# Allegro board C000PD020-3399PRO-DMEB-A-A01.brd
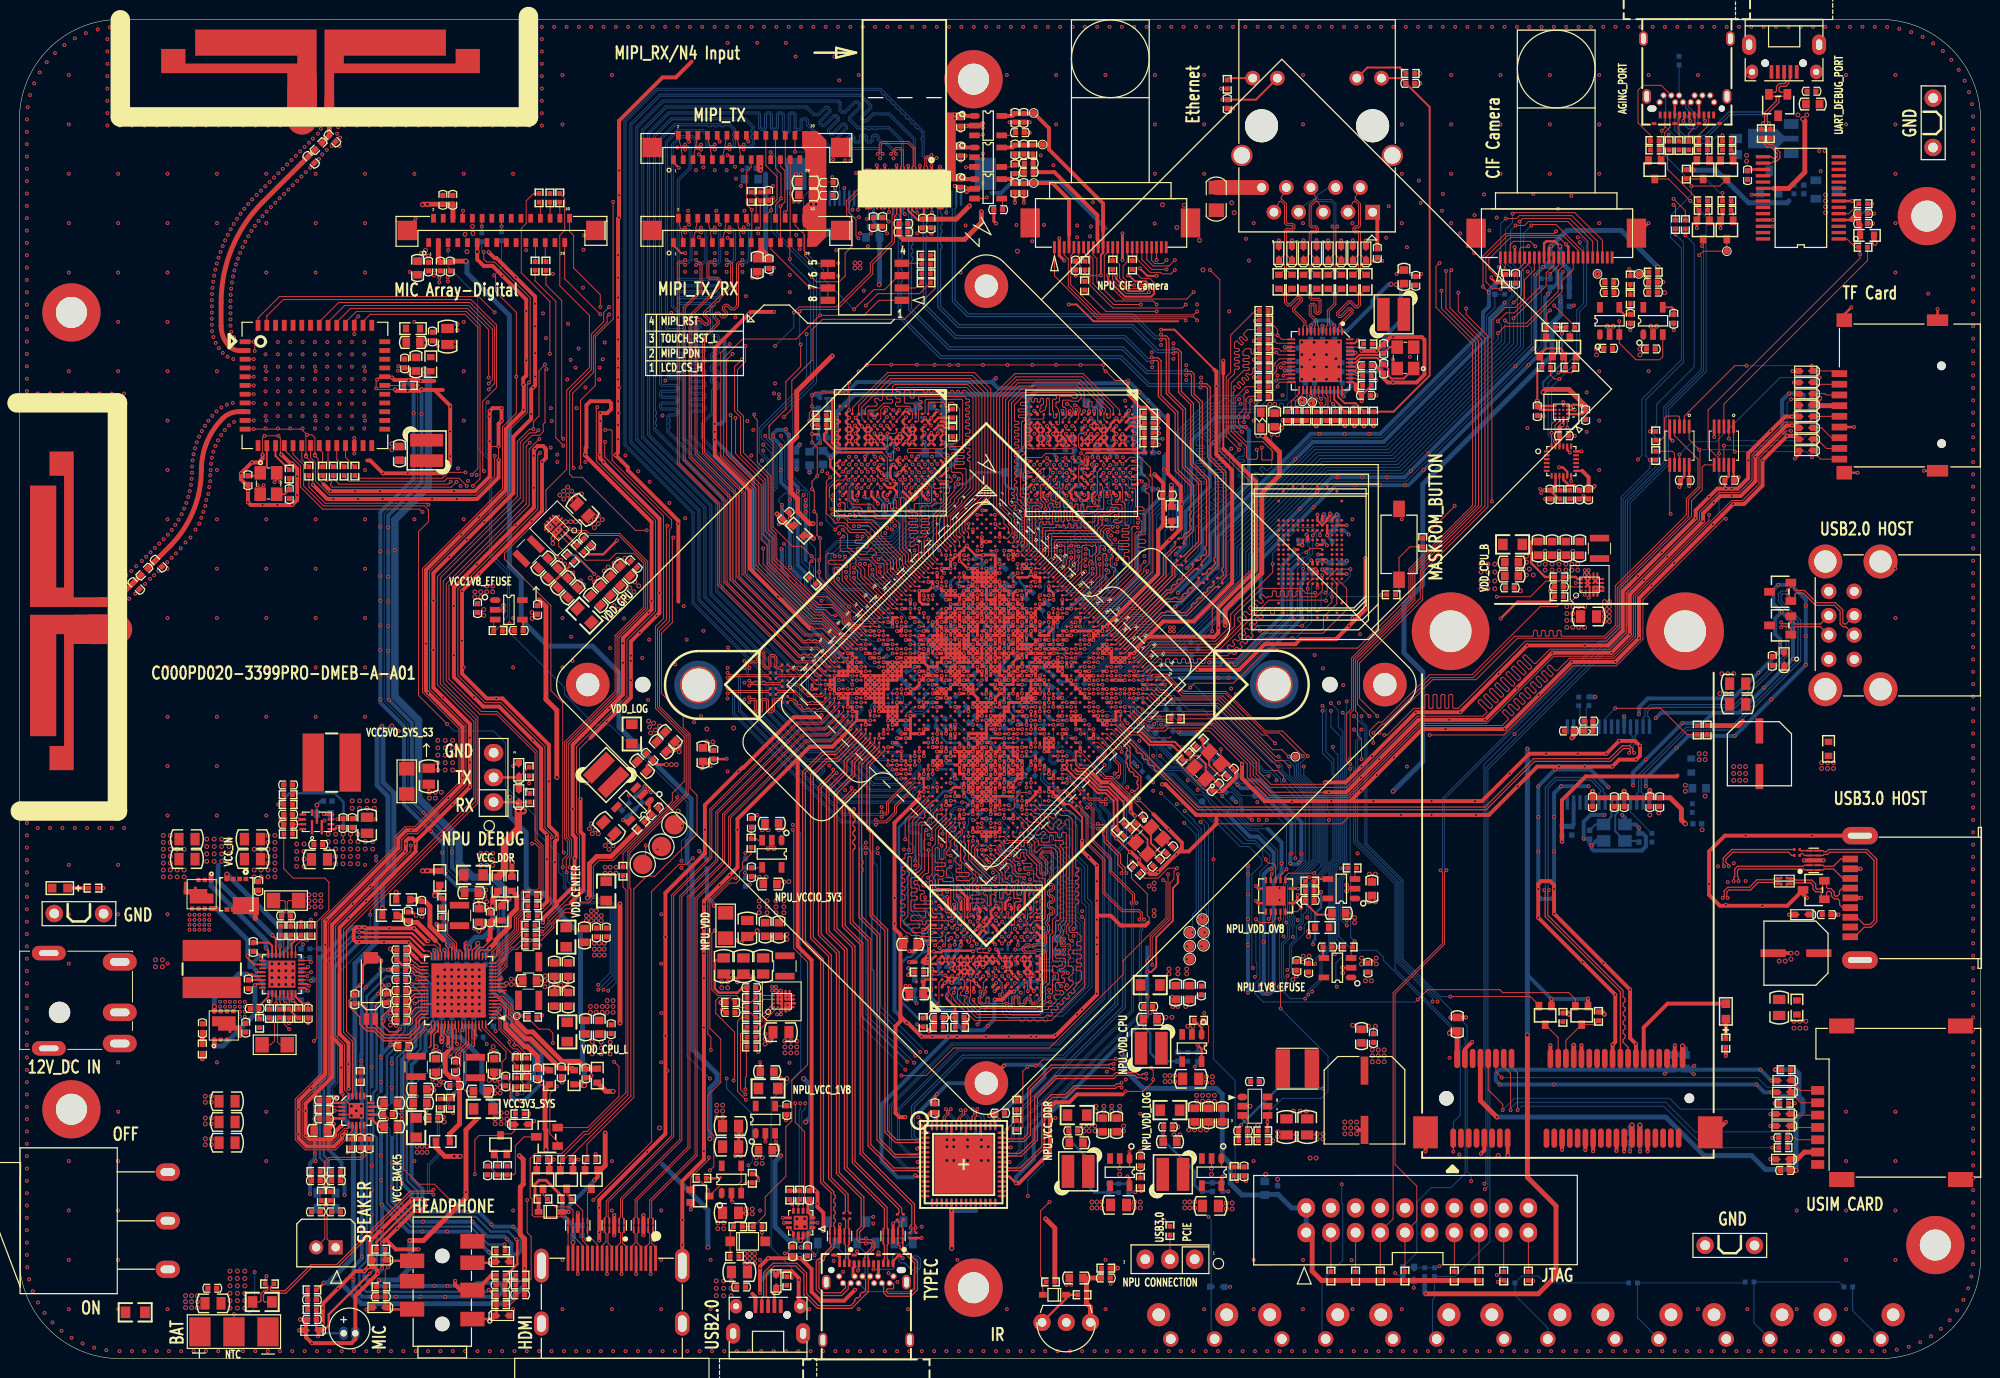
[diagram p0: board, top side]
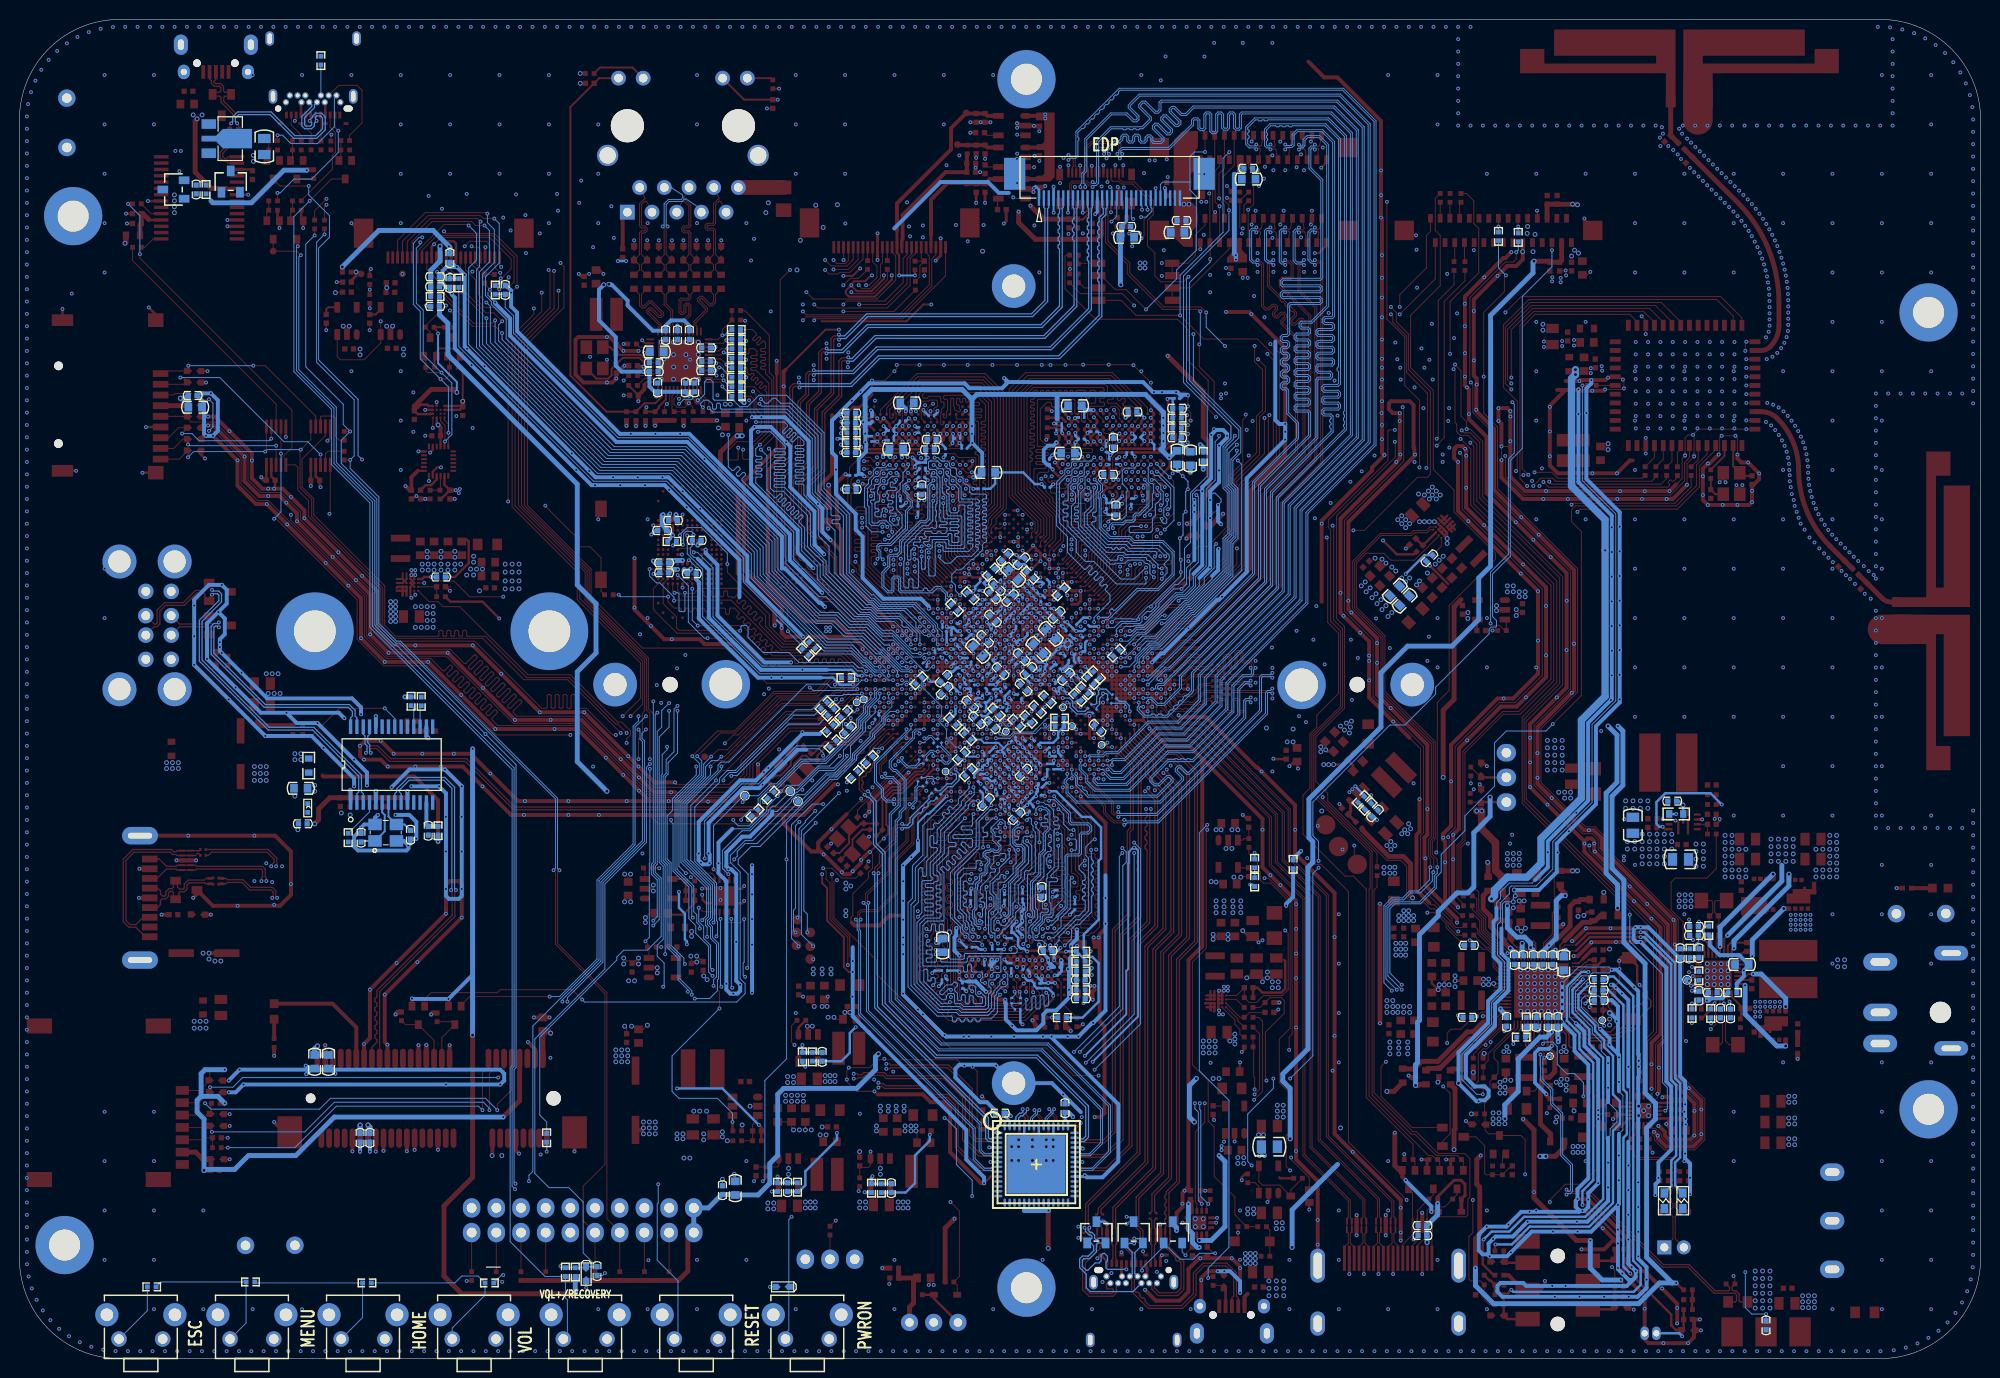
[diagram p1: board, bottom side, seen from below]

Outline 201.8 x 137.8 mm; copper layers: TOP, GND1, POWER1, POWER2, GND2, S1, GND3, BOTTOM. Coordinates in mm from the lower left corner of the outline.
Outline path: 0,127.5 arc(3.02,134.78) 10.3,137.8 191.5,137.8 arc(198.78,134.78) 201.8,127.5 201.8,10.3 arc(198.78,3.02) 191.5,0 10.3,0 arc(3.02,3.02) 0,10.3 0,127.5

## Design rules (mm)
net group DP9: nets HUB_HOST1_DM HUB_HOST1_DP
net group DP10: nets HUB_HOST2_DM HUB_HOST2_DP
net group DP11: nets HOST1_DM HOST1_DP
net group DP12: nets HUB_HOST3_DM HUB_HOST3_DP
net group DP16: nets TYPEC_AUXM TYPEC_AUXP
net group DP17: nets TYPEC0_DM TYPEC0_DP
net group DP18: nets DEBUG_DM DEBUG_DP
net group DP19: nets USB20_OTG1_DM USB20_OTG1_DP
net group DP20: nets U_DM U_DP
net group DP21: nets USB30_RX1N_PORT USB30_RX1P_PORT
net group DP22: nets OTG_DM_S1 OTG_DP_S1
net group DP23: nets PCIE_RX0N_S1 PCIE_RX0P_S1
net group DP24: nets PCIE_TX0N_S1 PCIE_TX0P_S1
net group EDPAUXN: nets EDP_AUXN EDPAUXN
net group EDPAUXP: nets EDP_AUXP EDPAUXP
net group EDPTX0N: nets EDP_TX0N EDPTX0N
net group EDPTX0P: nets EDP_TX0P EDPTX0P
net group EDPTX1N: nets EDP_TX1N EDPTX1N
net group EDPTX1P: nets EDP_TX1P EDPTX1P
net group EDPTX2N: nets EDP_TX2N EDPTX2N
net group EDPTX2P: nets EDP_TX2P EDPTX2P
net group EDPTX3N: nets EDP_TX3N EDPTX3N
net group EDPTX3P: nets EDP_TX3P EDPTX3P
net group EMMC_CLKO: nets EMMC_CLKO N80039782
net group HDMI_TX0: nets HDMI_TX0N HDMI_TX0P
net group HDMI_TX1: nets HDMI_TX1N HDMI_TX1P
net group HDMI_TX2: nets HDMI_TX2N HDMI_TX2P
net group HDMI_TXC: nets HDMI_TXCN HDMI_TXCP
net group MAC_CLK: nets MAC_CLK PHY_CLKOUT125
net group MAC_RXCLK: nets MAC_RXCLK PHY_RXCLK
net group MAC_RXD0: nets MAC_RXD0 PHY_RXD0
net group MAC_RXD1: nets MAC_RXD1 PHY_RXD1
net group MAC_RXD2: nets MAC_RXD2 PHY_RXD2
net group MAC_RXD3: nets MAC_RXD3 PHY_RXD3
net group MAC_RXDV: nets MAC_RXDV PHY_RXDV
net group MDI0+: nets MDI0+ MDI_0+
net group MDI0-: nets MDI0- MDI_0-
net group MDI1+: nets MDI1+ MDI_1+
net group MDI1-: nets MDI1- MDI_1-
net group MDI2+: nets MDI2+ MDI_2+
net group MDI2-: nets MDI2- MDI_2-
net group MDI3+: nets MDI3+ MDI_3+
net group MDI3-: nets MDI3- MDI_3-
net group MIPI_RX0_CLKN: nets MIPI_RX0_CLKN NPU_MIPI_TX_CLKN
net group MIPI_RX0_CLKP: nets MIPI_RX0_CLKP NPU_MIPI_TX_CLKP
net group MIPI_RX0_D0N: nets MIPI_RX0_D0N NPU_MIPI_TX_D0N
net group MIPI_RX0_D0P: nets MIPI_RX0_D0P NPU_MIPI_TX_D0P
net group MIPI_RX0_D1N: nets MIPI_RX0_D1N NPU_MIPI_TX_D1N
net group MIPI_RX0_D1P: nets MIPI_RX0_D1P NPU_MIPI_TX_D1P
net group MIPI_RX0_D2N: nets MIPI_RX0_D2N NPU_MIPI_TX_D2N
net group MIPI_RX0_D2P: nets MIPI_RX0_D2P NPU_MIPI_TX_D2P
net group MIPI_RX0_D3N: nets MIPI_RX0_D3N NPU_MIPI_TX_D3N
net group MIPI_RX0_D3P: nets MIPI_RX0_D3P NPU_MIPI_TX_D3P
net group NPU_OTG: nets USB20_HOST0_DM USB20_HOST0_DP
net group NPU_OTG_M: nets NPU_OTG_M OTG_DM_S2
net group NPU_OTG_P: nets NPU_OTG_P OTG_DP_S2
net group NPU_PCIE_CLKN: nets NPU_PCIE_CLKN PCIE_REF_CLKN
net group NPU_PCIE_CLKP: nets NPU_PCIE_CLKP PCIE_REF_CLKP
net group NPU_PCIE_RX0: nets PCIE_TX0N PCIE_TX0P
net group NPU_PCIE_RX0N: nets NPU_PCIE_RX0N PCIE_TX0N_S2
net group NPU_PCIE_RX0P: nets NPU_PCIE_RX0P PCIE_TX0P_S2
net group NPU_PCIE_RX1N: nets NPU_PCIE_RX1N PCIE_TX1N
net group NPU_PCIE_RX1P: nets NPU_PCIE_RX1P PCIE_TX1P
net group NPU_PCIE_TX0N: nets NPU_PCIE_TX0N PCIE_RX0N_S2
net group NPU_PCIE_TX0P: nets NPU_PCIE_TX0P PCIE_RX0P_S2
net group NPU_PCIE_TX1N: nets NPU_PCIE_TX1N PCIE_RX1N
net group NPU_PCIE_TX1P: nets NPU_PCIE_TX1P PCIE_RX1P
net group PCIE_RX0: nets PCIE_RX0N PCIE_RX0P
net group SDIO0_CLK: nets SDIO0_CLK SDIO_CLK
net group SDIO0_CMD: nets SDIO0_CMD SDIO_CMD
net group SDIO0_D0: nets SDIO0_D0 SDIO_D0
net group SDIO0_D1: nets SDIO0_D1 SDIO_D1
net group SDIO0_D2: nets SDIO0_D2 SDIO_D2
net group SDIO0_D3: nets SDIO0_D3 SDIO_D3
net group SDMMC0_CLK: nets N74993369 SDMMC0_CLK
net group TYPEC0_RX1: nets TYPEC0_RX1N TYPEC0_RX1P
net group TYPEC0_RX2: nets TYPEC0_RX2N TYPEC0_RX2P
net group TYPEC0_TX1N: nets TYPEC0_TX1N TYPECTX1N
net group TYPEC0_TX1P: nets TYPEC0_TX1P TYPECTX1P
net group TYPEC0_TX2N: nets TYPEC0_TX2N TYPECTX2N
net group TYPEC0_TX2P: nets TYPEC0_TX2P TYPECTX2P
net group USB20_OTG1_DM_J: nets USB20_OTG1_DM_J USB20_OTG1_DM_PORT
net group USB20_OTG1_DP_J: nets USB20_OTG1_DP_J USB20_OTG1_DP_PORT
net group USB30_RX1: nets USB30_RX1N USB30_RX1P
net group USB30_TX1: nets USB30_TX1N USB30_TX1P
net group USB30_TX1N_J: nets USB30_TX1N_J USB30_TX1N_PORT
net group USB30_TX1P_J: nets USB30_TX1P_J USB30_TX1P_PORT
net group AVDD0V9_DDR0PLL: nets AVDD0V9_DDR0PLL
net group M_DDR0_ADD: nets DDR0_A0 DDR0_A1 DDR0_A2 DDR0_A3 DDR0_A4 DDR0_A5 DDR0_A6 DDR0_A7 DDR0_A8 DDR0_A9 DDR0_CKE0 DDR0_CKE1 DDR0_CLK DDR0_CLKN DDR0_CS0N DDR0_CS1N DDR0_ODT0
net group M_DDR0_DATA0: nets DDR0_D0 DDR0_D1 DDR0_D2 DDR0_D3 DDR0_D4 DDR0_D5 DDR0_D6 DDR0_D7 DDR0_DM0 DDR0_DQS0M DDR0_DQS0P
net group M_DDR0_DATA1: nets DDR0_D8 DDR0_D9 DDR0_D10 DDR0_D11 DDR0_D12 DDR0_D13 DDR0_D14 DDR0_D15 DDR0_DM1 DDR0_DQS1M DDR0_DQS1P
net group M_DDR0_DATA2: nets DDR0_D16 DDR0_D17 DDR0_D18 DDR0_D19 DDR0_D20 DDR0_D21 DDR0_D22 DDR0_D23 DDR0_DM2 DDR0_DQS2M DDR0_DQS2P
net group M_DDR0_DATA3: nets DDR0_D24 DDR0_D25 DDR0_D26 DDR0_D27 DDR0_D28 DDR0_D29 DDR0_D30 DDR0_D31 DDR0_DM3 DDR0_DQS3M DDR0_DQS3P
net group M_DDR1_ADD: nets DDR1_A0 DDR1_A1 DDR1_A2 DDR1_A3 DDR1_A4 DDR1_A5 DDR1_A6 DDR1_A7 DDR1_A8 DDR1_A9 DDR1_CKE0 DDR1_CKE1 DDR1_CLK DDR1_CLKN DDR1_CS0N DDR1_CS1N DDR1_ODT0
net group M_DDR1_DATA0: nets DDR1_D0 DDR1_D1 DDR1_D2 DDR1_D3 DDR1_D4 DDR1_D5 DDR1_D6 DDR1_D7 DDR1_DM0 DDR1_DQS0M DDR1_DQS0P
net group M_DDR1_DATA1: nets DDR1_D8 DDR1_D9 DDR1_D10 DDR1_D11 DDR1_D12 DDR1_D13 DDR1_D14 DDR1_D15 DDR1_DM1 DDR1_DQS1M DDR1_DQS1P
net group M_DDR1_DATA2: nets DDR1_D16 DDR1_D17 DDR1_D18 DDR1_D19 DDR1_D20 DDR1_D21 DDR1_D22 DDR1_D23 DDR1_DM2 DDR1_DQS2M DDR1_DQS2P
net group M_DDR1_DATA3: nets DDR1_D24 DDR1_D25 DDR1_D26 DDR1_D27 DDR1_D28 DDR1_D29 DDR1_D30 DDR1_D31 DDR1_DM3 DDR1_DQS3M DDR1_DQS3P
net group M_EMMC: nets EMMC_CMD EMMC_D1 EMMC_D2 EMMC_D3 EMMC_D4 EMMC_D5 EMMC_D6 EMMC_D7 EMMC_STRB
net group M_MAC: nets MAC_MDC
net group M_MIPI_TX0: nets MIPI_TX0_CLKN MIPI_TX0_CLKP MIPI_TX0_D0N MIPI_TX0_D0P MIPI_TX0_D1N MIPI_TX0_D1P MIPI_TX0_D2N MIPI_TX0_D2P MIPI_TX0_D3N MIPI_TX0_D3P
net group M_MIPI_TX/RX: nets MIPI_TX1/RX1_CLKN MIPI_TX1/RX1_CLKP MIPI_TX1/RX1_D0N MIPI_TX1/RX1_D0P MIPI_TX1/RX1_D1N MIPI_TX1/RX1_D1P MIPI_TX1/RX1_D2N MIPI_TX1/RX1_D2P MIPI_TX1/RX1_D3N MIPI_TX1/RX1_D3P
net group M_PHY: nets PHY_TXCLK
net group NPU_MIPI_RX: nets NPU_MIPI_RX_CLKN NPU_MIPI_RX_CLKP NPU_MIPI_RX_D0N NPU_MIPI_RX_D0P NPU_MIPI_RX_D1N NPU_MIPI_RX_D1P NPU_MIPI_RX_D2N NPU_MIPI_RX_D2P NPU_MIPI_RX_D3N NPU_MIPI_RX_D3P
net group SDMMC0_D0: nets SDMMC0_D0 SDMMC0_D0/UART2_RX UART2_RX_DEBUG
net group SDMMC0_D1: nets SDMMC0_D1 SDMMC0_D1/UART2_TX UART2_TX_DEBUG
net group SDMMC0_D2: nets SDMMC0_D2 SDMMC0_D2/JTAG_TCK TCK
net group SDMMC0_D3: nets SDMMC0_D3 SDMMC0_D3/JTAG_TMS TMS

## Placement (name value [footprint] x y rotation side)
ANT6101  ANT_DIPOLE_1  [ANTPCB_44R00X11R00_DSR]  7.34 75.04 90 top
ANT6103  ANT_DIPOLE_1  [ANTPCB_44R00X11R00_DSR]  29.08 130.52 0 top
BT2000  -  [BAT3_2R54]  22.07 2.75 0 top
C1000  22uF  [C0603]  59.66 34.1 90 top
C1001  22uF  [C0603]  58.24 34.1 90 top
C1002  1uF  [C0402]  60.88 33.89 90 top
C1003  100nF  [C0201]  102.39 70.67 225 bottom
C1004  100nF  [C0201]  101.22 73.42 135 bottom
C1005  100nF  [C0201]  103.51 71.13 315 bottom
C1006  100nF  [C0201]  100.89 72.3 225 bottom
C1007  1nF  [C0201]  101.83 71.69 315 bottom
C1008  10uF  [C0402]  100.84 70.75 225 bottom
C1009  10uF  [C0402]  102.44 74.05 225 bottom
C1010  10uF  [C0402]  98.48 69.05 225 bottom
C1011  22uF  [C0603]  103.18 72.81 225 bottom
C1012  22uF  [C0603]  153.54 80.53 0 top
C1013  22uF  [C0603]  153.54 81.95 0 top
C1014  1uF  [C0402]  153.37 79.31 0 top
C1015  100nF  [C0201]  103.12 75.47 45 bottom
C1016  100nF  [C0201]  104.57 73.87 135 bottom
C1017  100nF  [C0201]  105.05 74.61 45 bottom
C1018  100nF  [C0201]  104.09 75.14 315 bottom
C1019  100nF  [C0201]  104.95 72.43 315 bottom
C1020  1nF  [C0201]  103.63 74.69 315 bottom
C1021  10uF  [C0402]  98.68 72.2 225 bottom
C1022  22uF  [C0603]  58.14 43.55 270 top
C1023  10uF  [C0402]  59.36 43.85 270 top
C1024  1uF  [C0402]  60.38 43.85 270 top
C1025  100nF  [C0201]  100.58 77.2 45 bottom
C1026  100nF  [C0201]  99.67 76.26 45 bottom
C1027  100nF  [C0201]  101.02 76.67 45 bottom
C1028  100nF  [C0201]  98.76 78.09 135 bottom
C1029  1nF  [C0201]  99.59 77.07 225 bottom
C1030  22uF  [C0603]  70.33 62.14 270 top
C1031  10uF  [C0402]  101.63 76.16 45 bottom
C1032  1uF  [C0402]  71.45 62.14 270 top
C1033  100nF  [C0201]  99.49 71.69 225 bottom
C1034  100nF  [C0201]  100.13 73.01 45 bottom
C1035  100nF  [C0201]  101.35 69.84 225 bottom
C1036  100nF  [C0201]  99.42 73.54 135 bottom
C1037  1nF  [C0201]  101.6 74.86 225 bottom
C1038  10uF  [C0402]  99.85 78.27 135 bottom
C1039  22uF  [C0603]  62.32 81.04 135 top
C1040  22uF  [C0603]  60.27 79 135 bottom
C1041  22uF  [C0603]  96.95 73.04 225 bottom
C1042  22uF  [C0603]  95.68 74.59 225 bottom
C1043  22uF  [C0603]  61.31 80.03 135 top
C1044  22uF  [C0603]  59.26 77.99 135 bottom
C1045  22uF  [C0603]  59.3 78.02 135 top
C1046  22uF  [C0603]  60.31 79.03 135 top
C1047  1uF  [C0402]  63.22 81.75 135 top
C1048  100nF  [C0201]  98.27 74.84 225 bottom
C1049  100nF  [C0201]  97.16 76.57 135 bottom
C1050  100nF  [C0201]  98.58 76.44 45 bottom
C1051  100nF  [C0201]  99.06 75.58 315 bottom
C1052  100nF  [C0201]  98.12 76.9 45 bottom
C1053  100nF  [C0201]  97.64 72.35 225 bottom
C1054  1nF  [C0201]  96.83 74.31 225 bottom
C1055  22uF  [C0603]  123.77 25.06 270 top
C1056  100nF  [C0201]  99.09 58.18 315 bottom
C1057  100nF  [C0201]  99.75 60.18 135 bottom
C1058  100nF  [C0201]  99.54 58.63 315 bottom
C1059  22uF  [C0603]  76.73 44.16 270 top
C1060  100nF  [C0201]  99.01 63.03 135 bottom
C1061  100nF  [C0201]  97.03 60.13 315 bottom
C1062  100nF  [C0201]  97.05 61.12 135 bottom
C1063  100nF  [C0201]  97.54 61.58 135 bottom
C1064  100nF  [C0201]  98.07 62.09 135 bottom
C1065  100nF  [C0201]  98.86 61.1 315 bottom
C1066  100nF  [C0201]  98.55 62.57 135 bottom
C1067  100nF  [C0201]  99.24 61.99 45 bottom
C1068  4.7uF  [C0402]  98.48 60.31 315 bottom
C1069  10uF  [C0402]  121.62 37.88 270 top
C1070  100nF  [C0201]  100.3 61.45 135 bottom
C1071  100nF  [C0201]  99.85 61 135 bottom
C1072  100nF  [C0201]  97.16 63.36 45 bottom
C1073  22uF  [C0603]  78.16 44.16 270 top
C1080  100nF  [C0201]  101.02 57.77 225 bottom
C1100  100nF  [C0201]  113.56 66 315 bottom
C1101  DNP  [C0402]  116.56 64.68 135 bottom
C1102  12pF  [C0402]  123.06 58.79 225 top
C1103  12pF  [C0402]  124.59 60.31 225 top
C1104  100nF  [C0201]  105.54 71.28 45 bottom
C1105  100nF  [C0201]  104.98 70.62 315 bottom
C1106  100nF  [C0201]  104.19 69.56 315 bottom
C1107  1uF  [C0402]  106.71 69.96 315 bottom
C1108  100nF  [C0201]  104.42 70.22 315 bottom
C1109  100nF  [C0201]  99.97 74.13 135 bottom
C1110  100nF  [C0201]  104.55 71.44 45 bottom
C1111  100nF  [C0201]  104.06 71.89 45 bottom
C1112  100nF  [C0402]  106.6 68.74 135 bottom
C1113  22pF  [C0402]  118.34 52.33 45 top
C1114  22pF  [C0402]  116.97 51.01 225 top
C1115  100nF  [C0201]  100.3 62.49 135 bottom
C1116  100nF  [C0201]  101.19 60.56 315 bottom
C1117  100nF  [C0201]  101.8 62.22 45 bottom
C1118  100nF  [C0201]  101.35 62.65 45 bottom
C1119  100nF  [C0201]  100.76 60.08 315 bottom
C1120  100nF  [C0201]  102.34 61.83 45 bottom
C1130  100nF  [C0402]  115.24 55.38 45 top
C1200  22uF  [C0603]  81.31 92.62 270 bottom
C1201  10uF  [C0402]  116.15 89.47 180 bottom
C1202  1uF  [C0402]  95.07 76.52 135 bottom
C1203  100nF  [C0201]  102.69 77.43 45 bottom
C1204  100nF  [C0201]  103.12 76.97 45 bottom
C1205  100nF  [C0201]  97.69 77.38 45 bottom
C1206  100nF  [C0201]  98.17 79.51 135 bottom
C1207  100nF  [C0201]  102.24 77.89 45 bottom
C1208  100nF  [C0201]  96.29 77.43 135 bottom
C1209  1uF  [C0402]  98.68 82.05 135 bottom
C1210  100nF  [C0201]  96.24 79.96 135 bottom
C1211  1uF  [C0402]  100.41 82.46 135 bottom
C1212  100nF  [C0201]  102.74 80.02 45 bottom
C1213  22uF  [C0603]  99.54 80.66 45 bottom
C1214  10uF  [C0402]  101.22 79.39 45 bottom
C1215  1uF  [C0402]  101.68 78.55 45 bottom
C1216  100nF  [C0201]  97.66 79 135 bottom
C1217  100nF  [C0201]  103.63 76.59 45 bottom
C1218  100nF  [C0201]  96.67 76.11 315 bottom
C1219  100nF  [C0201]  97.21 78.55 135 bottom
C1220  100nF  [C0201]  100.64 79.94 45 bottom
C1221  100nF  [C0201]  95.86 76.97 135 bottom
C1222  1uF  [C0402]  78.87 86.73 45 top
C1223  100nF  [C0201]  96.49 78.12 135 bottom
C1224  1uF  [C0402]  118.08 88.86 180 top
C1225  100nF  [C0201]  103.25 79.23 45 bottom
C1226  4.7uF  [C0402]  102.34 57.26 315 bottom
C1227  1uF  [C0402]  99.19 55.81 315 bottom
C1228  100nF  [C0201]  96.85 58.18 225 bottom
C1229  100nF  [C0201]  97.61 57.95 45 bottom
C1230  100nF  [C0201]  100.15 56.47 135 bottom
C1231  100nF  [C0201]  100.61 56.91 135 bottom
C1232  100nF  [C0201]  98.5 57.03 45 bottom
C1233  100nF  [C0201]  96.75 58.99 225 bottom
C1234  100nF  [C0201]  97.66 56.55 315 bottom
C1235  100nF  [C0201]  98.07 57.48 45 bottom
C1300  100nF  [C0201]  106.25 72.05 315 bottom
C1301  100nF  [C0201]  106.81 72.43 315 bottom
C1303  100nF  [C0201]  96.32 59.42 225 bottom
C1304  100nF  [C0201]  98.07 63.36 45 bottom
C1400  100nF  [C0201]  102.64 67.32 315 bottom
C1401  100nF  [C0201]  103.66 68.03 45 bottom
C1402  100nF  [C0201]  100.1 68.84 225 bottom
C1403  100nF  [C0201]  98.88 68.13 225 bottom
C1404  100nF  [C0201]  96.7 69.61 225 bottom
C1405  100nF  [C0201]  100.56 68.39 225 bottom
C1406  100nF  [C0201]  97.79 69.86 315 bottom
C1407  100nF  [C0201]  101.12 67.93 45 bottom
C1416  100nF  [C0201]  101.65 61.02 135 bottom
C1417  100nF  [C0201]  102.9 61.1 45 bottom
C1418  100nF  [C0201]  100.3 57.95 225 bottom
C1419  100nF  [C0201]  100.74 59.19 135 bottom
C1420  100nF  [C0201]  109.14 59.6 315 bottom
C1421  100nF  [C0201]  108.64 59.09 315 bottom
C1422  100nF  [C0201]  108.53 57.06 315 top
C1423  100nF  [C0201]  108.94 57.47 315 top
C1430  100nF  [C0201]  102.18 69.17 135 bottom
C1431  100nF  [C0201]  103.73 69.12 315 bottom
C1433  100nF  [C0201]  99.92 67.57 315 bottom
C1500  1nF  [C0402]  142.37 9 270 bottom
C1501  100nF  [C0201]  93.37 73.9 315 bottom
C1502  100nF  [C0201]  92.38 72.96 225 bottom
C1503  100nF  [C0201]  94.44 75.6 315 bottom
C1504  100nF  [C0201]  93.22 75.35 135 bottom
C1505  100nF  [C0201]  100.41 66.81 225 bottom
C1507  100nF  [C0402]  101.73 65.19 225 bottom
C1600  100nF  [C0201]  102.87 70.24 225 bottom
C1601  100nF  [C0201]  105.21 68.9 315 bottom
C1602  100nF  [C0201]  92.18 74.03 225 bottom
C1700  100nF  [C0201]  94.89 72.76 45 bottom
C1701  100nF  [C0201]  95.89 71.21 45 bottom
C1702  100nF  [C0201]  92.99 72.3 225 bottom
C1703  100nF  [C0201]  95.02 69.25 225 bottom
C1704  100nF  [C0201]  96.62 70.62 225 bottom
C1705  100nF  [C0201]  119.3 82.36 45 top
C1706  100nF  [C0201]  119.81 81.85 45 top
C1707  100nF  [C0201]  120.93 81.95 45 top
C1708  100nF  [C0201]  121.44 81.44 45 top
C1709  100nF  [C0201]  121.54 80.53 45 top
C1710  100nF  [C0201]  122.05 80.02 45 top
C1711  100nF  [C0201]  123.06 80.12 45 top
C1712  100nF  [C0201]  123.57 79.61 45 top
C1713  100nF  [C0201]  105.51 75.42 315 bottom
C1714  100nF  [C0201]  104.29 76.24 45 bottom
C1722  4.7uF  [C0402]  97.97 70.78 315 bottom
C1723  4.7uF  [C0402]  94.11 70.17 135 bottom
C1900  100nF  [C0201]  107.39 72.81 315 bottom
C1901  100nF  [C0201]  105.49 73.19 135 bottom
C1902  100nF  [C0201]  105.69 74.31 45 bottom
C1903  100nF  [C0201]  106.63 75.02 45 bottom
C2000  100nF  [C0402]  30.75 52.89 0 top
C2001  10uF  [C0805]  30.87 51.37 0 bottom
C2002  10uF  [C0805]  30.87 51.37 0 top
C2005  220nF  [C0402]  27.65 59.03 0 top
C2006  10uF  [C0805]  42.11 59.93 270 top
C2009  1uF  [C0402]  27.65 56.01 180 top
C2010  DNP  [C0402]  27.65 54.98 180 top
C2011  1uF  [C0402]  31.72 57.36 0 bottom
C2012  100nF  [C0402]  33.3 55.1 270 top
C2013  22uF  [C0805]  35.78 54.87 270 bottom
C2014  22uF  [C0805]  35.78 54.87 270 top
C2015  100nF  [C0402]  34.24 55.1 270 top
C2019  22uF  [C0805]  21.36 26.48 180 top
C2020  10nF  [C0402]  26.75 35.52 270 bottom
C2021  10nF  [C0402]  23.29 34.05 90 top
C2022  47nF  [C0402]  23.55 38.51 90 top
C2024  22uF  [C0805]  17.24 53.45 180 top
C2025  22uF  [C0805]  17.24 51.39 180 top
C2026  47nF  [C0402]  24.05 42.35 270 top
C2027  10uF  [C0805]  23.98 51.39 0 top
C2028  22uF  [C0805]  23.98 53.45 0 top
C2029  22uF  [C0805]  21.36 22.21 180 top
C2030  2.2uF  [C0603]  24.56 40.55 180 bottom
C2031  100nF  [C0402]  24.62 48.63 90 top
C2032  100nF  [C0402]  27.43 45.55 0 top
C2033  1uF  [C0402]  27.56 37.65 0 bottom
C2034  100nF  [C0402]  19.84 7.24 0 top
C2035  100pF  [C0402]  28.98 37.35 270 bottom
C2036  100pF  [C0402]  29.71 35.5 270 top
C2037  22uF  [C0805]  19.92 5.68 0 top
C2038  22uF  [C0805]  21.36 24.34 180 top
C2040  10nF  [C0402]  25.73 35.52 270 bottom
C2045  680pF  [C0402]  29.49 44.46 180 bottom
C2046  15pF  [C0402]  29.49 43.55 180 bottom
C2047  1800pF  [C0402]  30.91 41.72 270 bottom
C2048  33pF  [C0402]  28.98 41.72 90 bottom
C2049  100pF  [C0402]  22.07 3.41 270 bottom
C2050  470nF  [C0402]  24.21 36.03 180 top
C2052  330pF  [C0402]  18.82 34 90 top
C2100  1uF  [C0402]  46.03 41.01 270 bottom
C2101  10uF  [C0603]  52.5 38.9 180 top
C2102  10uF  [C0603]  48.84 30.16 270 top
C2103  1uF  [C0402]  47.05 41.01 270 bottom
C2104  1uF  [C0402]  47.98 41.01 270 bottom
C2105  22uF  [C0603]  55.04 40.02 270 top
C2106  10uF  [C0603]  56.46 40.02 270 top
C2107  22uF  [C0603]  47.42 27.52 0 top
C2108  1uF  [C0402]  48.44 45.4 90 top
C2109  1uF  [C0402]  45.03 41.01 270 bottom
C2110  10uF  [C0603]  47.32 45.6 90 top
C2111  1uF  [C0402]  44.02 41.01 270 bottom
C2112  1uF  [C0402]  41.38 46.59 270 top
C2113  1uF  [C0402]  40.01 45.5 90 top
C2114  22uF  [C0603]  56.46 36.97 90 top
C2115  10uF  [C0603]  55.04 36.97 90 top
C2116  1uF  [C0402]  53.31 29.35 270 top
C2117  22uF  [C0603]  46.51 47.94 0 top
C2118  1uF  [C0402]  48.76 34.65 270 bottom
C2119  1uF  [C0402]  55.75 29.45 270 top
C2120  1uF  [C0402]  58.29 29.35 270 top
C2121  1uF  [C0402]  44.73 28.1 180 top
C2122  1uF  [C0402]  43.49 34.65 90 bottom
C2123  1uF  [C0402]  44.51 34.65 90 bottom
C2124  22uF  [C0603]  41.22 26.3 0 top
C2125  22uF  [C0603]  41.22 27.72 0 top
C2126  10uF  [C0603]  42.85 30.16 270 top
C2127  1uF  [C0402]  39.29 36.88 180 bottom
C2128  1uF  [C0402]  39.29 35.85 0 top
C2129  100nF  [C0402]  42.6 24.75 0 top
C2130  22pF  [C0402]  37.77 37.07 90 top
C2131  100nF  [C0402]  44.88 30.06 270 top
C2132  2.2uF  [C0402]  39.29 41.03 180 top
C2133  22pF  [C0402]  34.52 36.97 90 top
C2134  10uF  [C0603]  42.88 40.67 270 bottom
C2135  2.2uF  [C0402]  39.29 40.02 180 top
C2136  2.2uF  [C0402]  39.29 42.05 180 top
C2137  2.2uF  [C0402]  39.29 34.83 180 top
C2138  2.2uF  [C0402]  39.29 36.87 180 top
C2139  100nF  [C0402]  45.73 34.65 90 bottom
C2140  100nF  [C0402]  39.29 37.92 0 bottom
C2141  100nF  [C0402]  39.29 39 0 bottom
C2142  100nF  [C0402]  50.04 28.51 270 top
C2143  100nF  [C0402]  39.5 32.09 180 top
C2144  27pF  [C0402]  39.29 37.88 180 top
C2145  27pF  [C0402]  39.29 39 180 top
C2150  1uF  [C0402]  48.18 19.37 270 top
C2155  100pF  [C0402]  52.81 35.11 180 bottom
C2156  100pF  [C0402]  52.65 42.53 180 bottom
C2200  10uF  [C0805]  161.47 76.36 180 top